# KiCad board constellation.kicad_pcb (continued)
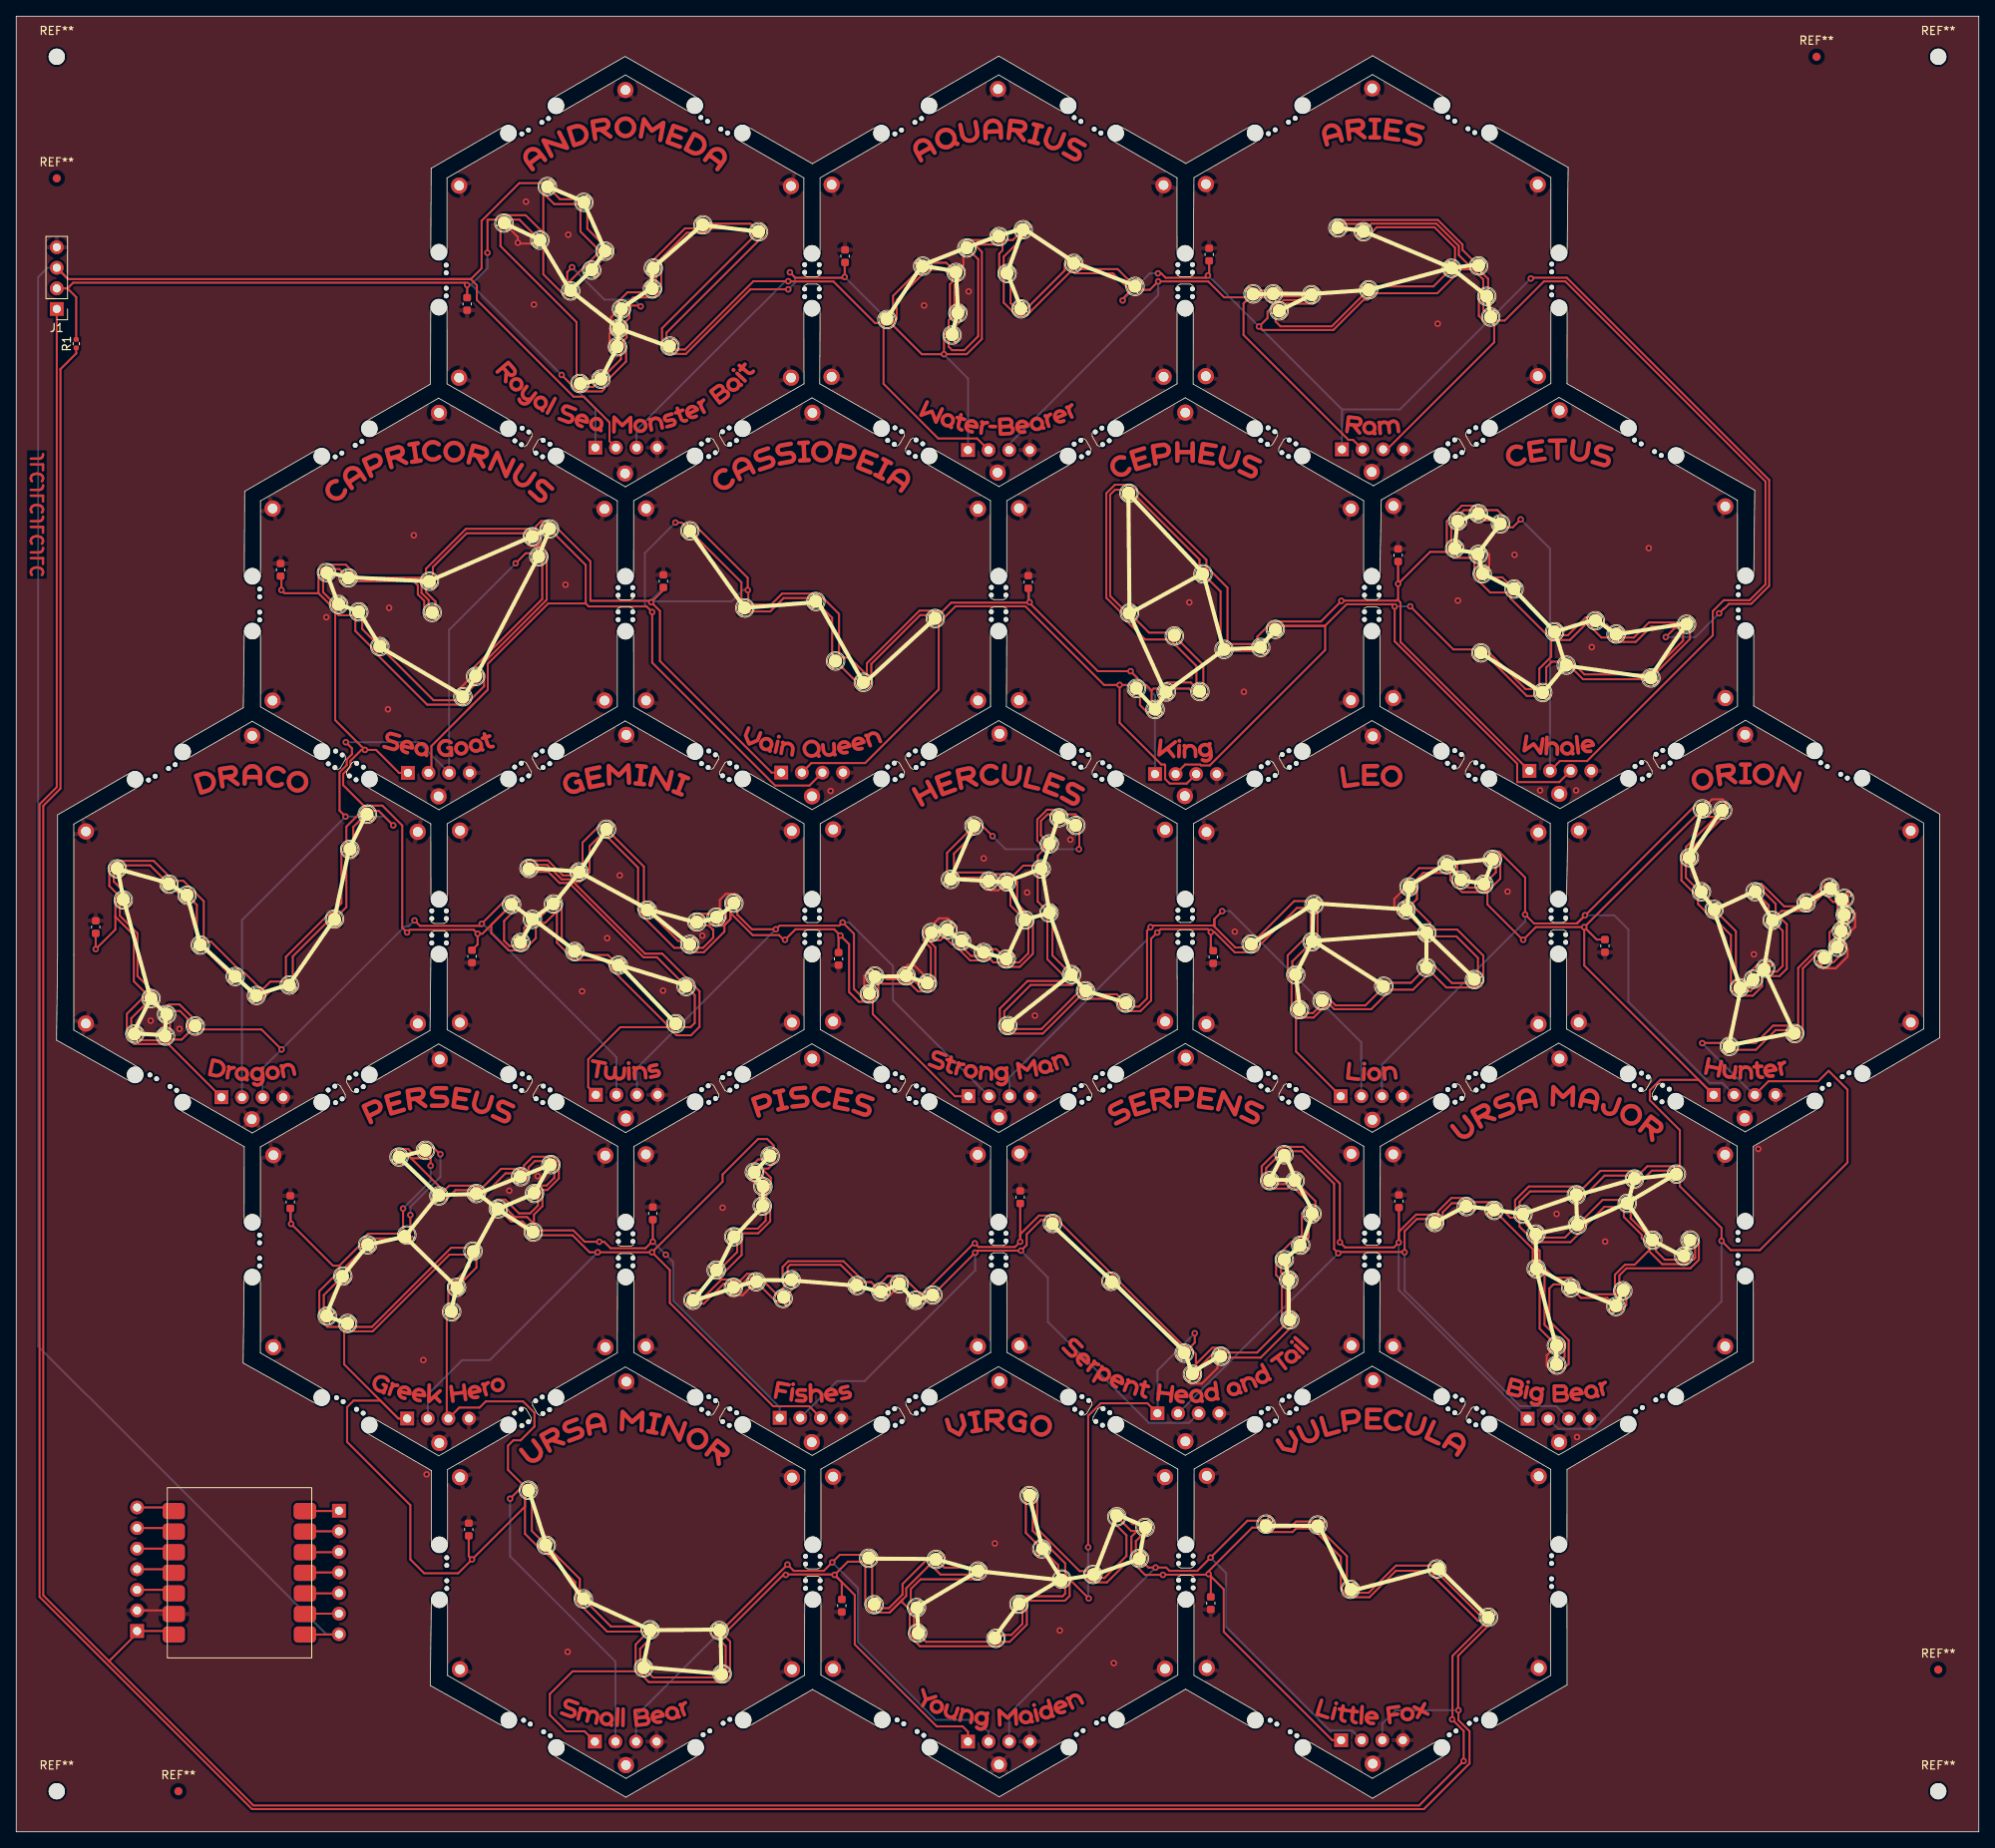
[diagram p0: board, top side]
## Nets (continued)
Net-(U118-DOUT): U118.1 U119.4
Net-(U119-DOUT): U119.1 U120.4
Net-(U120-DOUT): U120.1 U121.4
Net-(U121-DOUT): U121.1 U122.4
Net-(U122-DOUT): U122.1 U123.4
Net-(U123-DOUT): U123.1 U124.4
Net-(U124-DOUT): U124.1 U125.4
Net-(U125-DOUT): U125.1 U126.4
Net-(U126-DOUT): U126.1 U127.4
Net-(U127-DOUT): U127.1 U128.4
Net-(U128-DOUT): U128.1 U129.4
Net-(U129-DOUT): U129.1 U130.4
Net-(U130-DOUT): U130.1 U131.4
Net-(U131-DOUT): U131.1 U132.4
Net-(U132-DOUT): U132.1 U133.4
Net-(U133-DOUT): U133.1 U134.4
Net-(U134-DOUT): U134.1 U135.4
Net-(U135-DOUT): U135.1 U136.4
Net-(U136-DOUT): U136.1 U137.4
Net-(U137-DOUT): U137.1 U138.4
Net-(U138-DOUT): U138.1 U139.4
Net-(U140-DOUT): U140.1 U141.4
Net-(U141-DOUT): U141.1 U142.4
Net-(U142-DOUT): U142.1 U143.4
Net-(U143-DOUT): U143.1 U144.4
Net-(U144-DOUT): U144.1 U145.4
Net-(U145-DOUT): U145.1 U146.4
Net-(U146-DOUT): U146.1 U147.4
Net-(U147-DOUT): U147.1 U148.4
Net-(U148-DOUT): U148.1 U149.4
Net-(U149-DOUT): U149.1 U150.4
Net-(U150-DOUT): U150.1 U151.4
Net-(U151-DOUT): U151.1 U152.4
Net-(U152-DOUT): U152.1 U153.4
Net-(U153-DOUT): U153.1 U154.4
Net-(U154-DOUT): U154.1 U155.4
Net-(U156-DOUT): U156.1 U157.4
Net-(U157-DOUT): U157.1 U158.4
Net-(U158-DOUT): U158.1 U159.4
Net-(U159-DOUT): U159.1 U160.4
Net-(U160-DOUT): U160.1 U161.4
Net-(U161-DOUT): U161.1 U162.4
Net-(U162-DOUT): U162.1 U163.4
Net-(U163-DOUT): U163.1 U164.4
Net-(U164-DOUT): U164.1 U165.4
Net-(U165-DOUT): U165.1 U166.4
Net-(U166-DOUT): U166.1 U167.4
Net-(U167-DOUT): U167.1 U168.4
Net-(U168-DOUT): U168.1 U169.4
Net-(U169-DOUT): U169.1 U170.4
Net-(U170-DOUT): U170.1 U171.4
Net-(U171-DOUT): U171.1 U172.4
Net-(U172-DOUT): U172.1 U173.4
Net-(U173-DOUT): U173.1 U174.4
Net-(U175-DOUT): U175.1 U176.4
Net-(U176-DOUT): U176.1 U177.4
Net-(U177-DOUT): U177.1 U178.4
Net-(U178-DOUT): U178.1 U179.4
Net-(U179-DOUT): U179.1 U180.4
Net-(U180-DOUT): U180.1 U181.4
Net-(U181-DOUT): U181.1 U182.4
Net-(U182-DOUT): U182.1 U183.4
Net-(U183-DOUT): U183.1 U184.4
Net-(U184-DOUT): U184.1 U185.4
Net-(U185-DOUT): U185.1 U186.4
Net-(U186-DOUT): U186.1 U187.4
Net-(U187-DOUT): U187.1 U188.4
Net-(U188-DOUT): U188.1 U189.4
Net-(U189-DOUT): U189.1 U190.4
Net-(U190-DOUT): U190.1 U191.4
Net-(U191-DOUT): U191.1 U192.4
Net-(U192-DOUT): U192.1 U193.4
Net-(U194-DOUT): U194.1 U195.4
Net-(U195-DOUT): U195.1 U196.4
Net-(U196-DOUT): U196.1 U197.4
Net-(U197-DOUT): U197.1 U198.4
Net-(U198-DOUT): U198.1 U199.4
Net-(U199-DOUT): U199.1 U200.4
Net-(U200-DOUT): U200.1 U201.4
Net-(U201-DOUT): U201.1 U202.4
Net-(U202-DOUT): U202.1 U203.4
Net-(U203-DOUT): U203.1 U204.4
Net-(U204-DOUT): U204.1 U205.4
Net-(U205-DOUT): U205.1 U206.4
Net-(U207-DOUT): U207.1 U208.4
Net-(U208-DOUT): U208.1 U209.4
Net-(U209-DOUT): U209.1 U210.4
Net-(U210-DOUT): U210.1 U211.4
Net-(U211-DOUT): U211.1 U212.4
Net-(U212-DOUT): U212.1 U213.4
Net-(U213-DOUT): U213.1 U214.4
Net-(U214-DOUT): U214.1 U215.4
Net-(U215-DOUT): U215.1 U216.4
Net-(U216-DOUT): U216.1 U217.4
Net-(U217-DOUT): U217.1 U218.4
Net-(U218-DOUT): U218.1 U219.4
Net-(U219-DOUT): U219.1 U220.4
Net-(U220-DOUT): U220.1 U221.4
Net-(U221-DOUT): U221.1 U222.4
Net-(U223-DOUT): U223.1 U224.4
Net-(U224-DOUT): U224.1 U225.4
Net-(U225-DOUT): U225.1 U226.4
Net-(U226-DOUT): U226.1 U227.4
Net-(U227-DOUT): U227.1 U228.4
Net-(U228-DOUT): U228.1 U229.4
Net-(U229-DOUT): U229.1 U230.4
Net-(U230-DOUT): U230.1 U231.4
Net-(U231-DOUT): U231.1 U232.4
Net-(U232-DOUT): U232.1 U233.4
Net-(U233-DOUT): U233.1 U234.4
Net-(U234-DOUT): U234.1 U235.4
Net-(U235-DOUT): U235.1 U236.4
Net-(U236-DOUT): U236.1 U237.4
Net-(U237-DOUT): U237.1 U238.4
Net-(U238-DOUT): U238.1 U239.4
Net-(U240-DOUT): U240.1 U241.4
Net-(U241-DOUT): U241.1 U242.4
Net-(U242-DOUT): U242.1 U243.4
Net-(U243-DOUT): U243.1 U244.4
Net-(U244-DOUT): U244.1 U245.4
Net-(U245-DOUT): U245.1 U246.4
Net-(U247-DOUT): U247.1 U248.4
Net-(U248-DOUT): U248.1 U249.4
Net-(U249-DOUT): U249.1 U250.4
Net-(U250-DOUT): U250.1 U251.4
Net-(U251-DOUT): U251.1 U252.4
Net-(U252-DOUT): U252.1 U253.4
Net-(U253-DOUT): U253.1 U254.4
Net-(U254-DOUT): U254.1 U255.4
Net-(U255-DOUT): U255.1 U256.4
Net-(U256-DOUT): U256.1 U257.4
Net-(U257-DOUT): U257.1 U258.4
Net-(U258-DOUT): U258.1 U259.4
Net-(U259-DOUT): U259.1 U260.4
Net-(U260-DOUT): U260.1 U261.4
Net-(U262-DOUT): U262.1 U263.4
Net-(U263-DOUT): U263.1 U264.4
Net-(U264-DOUT): U264.1 U265.4
Net-(U265-DOUT): U265.1 U266.4

## Via types
v1: diameter 0.8, hole 0.4, Top to Bottom, 140 vias

## Routing (per net, layer and track width the routed paths; a pad name or vN(x,y) marks a point on that pad's centre or on a via; arc(x,y) is an arc through that point)
+5V: length 3196.9
  Top w0.25: v1(147.03,31.8) 146.95,31.72 141.42,31.72 v1(141.4,31.7) 139.19,31.7 138.06,32.82 U261.2 ; v1(147.03,31.8) 148.9,29.93 148.9,24.67 162.27,11.3 J23.1 ; v1(147.03,31.8) 147.3,31.53 C37.2 ; v1(147.03,31.8) 147.03,32.15 152.41,37.53 U262.2 153.68,37.06 153.75,36.98 157.38,36.98 157.83,37.43 U263.2 160.06,37.18 163.34,33.9 163.34,29.98 163.83,29.49 U264.2 164.08,29.17 164.31,28.94 166.86,28.94 170.12,32.2 174.56,32.2 U265.2 174.76,31.53 180.25,26.04 U266.2 181.11,25.71 177.1,21.7 177.1,13.9 v1(177.06,13.86) 178.48,12.45 v1(178.48,8.73) 173,3.25 29.25,3.25 11.45,21.05 ; U236.2 40.44,57.66 47.11,50.99 ; U236.2 38.35,62.29 37.92,62.72 37.92,63.19 37.67,63.19 37.38,63.5 37.38,66.71 39.66,68.99 39.84,68.99 39.84,69.84 ; U236.2 40.44,62.04 40.74,61.74 43.95,61.74 53.42,71.21 U237.2 55.9,69.74 53.87,67.71 U238.2 53.4,67.59 53.27,67.47 U239.2 ; 93.39,82.96 93.39,82.48 92.73,81.82 U221.2 91.92,81.82 93.05,80.69 93.05,79.48 92.75,79.18 U220.2 92.5,77.71 U219.2 92.75,77.63 92.97,77.41 92.97,75.32 91.49,73.84 U218.2 89.09,73.84 89.45,73.48 89.45,71.17 87.16,68.88 U217.2 86.74,68.37 86.97,68.14 ; v1(56.9,110.8) 56.9,109.47 C17.2 ; v1(56.9,110.8) 57.48,110.8 U101.2 58.58,111.9 58.58,110.87 60.71,108.74 62.47,108.74 62.64,108.91 U102.2 63.12,109.29 64.08,110.25 U103.2 65.24,112.14 66.67,113.58 U104.2 66.67,109.7 68.19,108.17 68.44,108.17 68.44,107.7 68.61,107.54 72.52,107.54 73.57,106.49 U106.2 73.82,106.02 80.56,99.27 U107.2 ; v1(56.9,110.8) 56.41,111.29 48.52,111.29 v1(48.19,110.96) 47.6,111.55 47.6,124.16 45.15,126.61 43.25,126.61 42.87,126.22 U85.2 ; 59.71,198.78 U7.2 ; U7.2 59.71,199.15 60.01,199.45 62.81,199.45 65,197.27 65,196.8 65,202.49 U1.2 65.07,202.09 66.33,200.82 69.36,200.82 U2.2 69.57,197.43 U3.2 70.53,193.56 U4.2 70.06,193.09 67.94,190.97 U5.2 67.94,192.43 v1(68.54,193.03) ; U7.2 58.16,198.9 58.11,198.85 v1(58.11,194.81) ; 48.1,83.68 48.69,83.1 50.53,83.1 50.89,83.46 U231.2 51.1,83.44 v1(51.1,82.18) ; 48.1,83.68 U230.2 ; 48.1,83.68 52.55,79.24 U229.2 ; 189.28,147.62 189.28,144.97 187.81,143.51 U54.2 186.12,140.98 181.22,145.88 U55.2 ; 189.28,147.62 189.28,147.15 189.38,147.04 191.58,147.04 193.53,148.99 U49.2 194.29,148.51 195.46,147.34 U50.2 196.85,146.87 196.93,146.8 198.25,146.8 198.25,146.8 199.7,146.8 201.6,148.7 205.39,148.7 U51.2 ; 189.28,147.62 188.8,147.62 184.28,152.15 184.28,152.89 181.75,152.89 180.34,154.3 U46.2 180.09,154.78 179.79,155.07 179.79,157.09 U45.2 177.22,157.17 176.95,157.44 U44.2 ; U255.2 129.35,33.12 127.14,35.33 U256.2 126.89,35.58 125.35,37.12 125.35,41.05 U257.2 ; U255.2 129.47,31.6 ; U255.2 129.44,31.6 v1(132.25,28.79) ; C11.2 124.8,151.86 v1(124.96,151.69) ; U79.2 39.33,150.51 39.76,150.08 41.81,150.08 41.81,148.14 44.16,145.8 U81.2 44.41,145.32 50.67,139.06 55.17,139.06 55.5,139.39 U82.2 55.98,139.61 57.69,141.32 57.69,142.81 57.54,142.97 U83.2 57.06,143.65 65.42,152 65.42,157.67 65.34,157.75 U84.2 ; U79.2 39.09,150.99 37.27,152.81 ; U79.2 39.33,137.15 v1(43,133.48) ; C7.2 32.7,154.82 v1(32.7,153.2) 33.09,152.81 37.27,152.81 ; 179.9,192.76 179.65,192.76 177.89,194.52 177.89,195.64 175.12,198.41 167.11,198.41 U36.2 166.53,198.31 166.46,198.38 163.47,198.38 U37.2 ; 179.9,192.76 179.9,192.51 180.9,191.51 180.9,189.87 U39.2 180.63,189.87 180.35,189.59 180.35,187.02 180.92,186.45 181.4,186.45 ; 179.9,192.76 177.71,192.76 177.41,192.47 177.41,192 175.23,189.81 U34.2 167.19,189.56 166.64,189.02 166.14,189.02 162.41,185.29 153.66,185.29 v1(153.24,185.71) 154.3,186.77 154.3,187.56 154.82,188.07 155.29,188.07 ; v1(114.4,182.3) 117.2,182.3 119.07,184.17 119.07,194.93 118.17,195.84 U23.2 ; v1(114.4,182.3) 111.66,182.3 107.81,186.15 U18.2 108.05,186.15 108.57,186.68 108.57,188.99 112.2,192.62 U19.2 112.21,192.74 114.43,192.74 115.22,191.95 U20.2 115.47,191.26 115.14,190.93 115.14,187.02 115.21,186.94 U21.2 115.43,186.94 114.97,186.49 U22.2 114.72,185.09 114.4,184.76 v1(114.4,182.3) ; J9.1 47.2,130.65 44.37,133.48 v1(43,133.48) ; U154.2 181.88,116.48 183,117.59 183,120.16 182.76,120.4 U155.2 ; U154.2 181.41,114.41 185.77,110.05 v1(185.82,110.05) 187.39,111.62 v1(193.35,111.62) ; U154.2 181.41,116.21 181.13,115.93 178.29,115.93 177.69,116.53 177.69,117 177.22,117 176.84,117.39 U152.2 176.84,118.64 176.49,118.3 173.47,118.3 172.16,117 172.34,117 172.72,116.61 172.72,115.08 U150.2 172.28,114.18 174.37,112.09 U149.2 177.68,111.32 180.91,108.09 180.91,104.91 180.72,104.72 U148.2 180.25,104.28 180.13,104.17 176.34,104.17 U147.2 174.3,105.96 172.24,103.89 U146.2 169.06,103.47 167.08,101.49 162.51,101.49 161.91,102.09 161.44,102.09 161.44,101.92 159.99,100.46 157.88,100.46 157.81,100.53 U144.2 ; v1(186.76,191.64) 186.85,191.74 191.2,191.74 216.15,166.79 216.15,153.71 213.94,151.5 211.2,151.5 210.63,150.93 210.58,150.93 v1(209.97,150.32) ; v1(77,188.2) 76.9,188.3 U12.2 ; v1(193.35,111.62) U156.2 207.5,125.52 207.8,125.22 209.6,125.22 210,125.61 205.88,121.5 U158.2 205.47,120.61 205.34,120.47 205.34,117.36 207.15,115.55 U159.2 207.37,114.47 208.47,113.37 U160.2 208.94,113.12 211.44,110.62 211.44,103.84 211.58,103.7 212.06,103.7 212.06,103.23 212.13,103.16 214.13,103.16 215.28,104.31 U163.2 ; v1(193.35,111.62) 194.89,110.08 C23.2 ; v1(193.35,111.62) 193.35,106.88 J14.1 207.46,92.77 202.73,92.77 201.44,91.48 201.44,90.26 205.14,86.56 U175.2 205.14,81.82 204.84,82.12 201.13,82.12 U176.2 199.97,81.44 199.85,81.55 195.35,81.55 U177.2 192.81,79.49 192.68,79.62 186.52,79.62 184.82,77.92 184.82,75.99 185.04,75.77 U178.2 ; U107.2 74.49,99.27 70.53,95.31 70.53,91.87 J11.1 ; U107.2 80.9,98.8 81.42,98.27 83.21,98.27 84.26,99.32 84.26,103.7 83.25,104.72 U108.2 83.03,104.97 79.66,108.34 77.54,108.34 68.37,117.51 67.26,117.51 65.48,119.29 U109.2 ; 152.94,189.31 U31.2 154.57,188.8 155.29,188.07 ; v1(100.91,31.7) 102.53,33.32 U247.2 104.69,28 105.09,27.59 U248.2 105.34,27.34 105.64,27.04 107.69,27.04 ; v1(100.91,31.7) 101.25,31.35 ; v1(100.91,31.7) 100.86,31.75 94.95,31.75 v1(94.9,31.7) 94.59,31.7 87.29,24.4 U246.2 88.03,23.48 88.03,19.12 87.95,19.05 U245.2 87.48,18.57 87.38,18.47 78,18.47 76.93,19.54 U244.2 ; U244.2 68.6,19.8 65.8,17 65.8,14.4 67.8,12.4 70.08,12.4 J19.1 ; U244.2 76.45,19.8 76.38,19.88 76.38,23.12 U243.2 77.54,24.7 72.86,24.7 69.5,28.06 U242.2 69.25,28.31 68.95,28.61 68.95,30.8 64.93,34.82 U241.2 64.58,34.92 62.73,36.77 U240.2 62.73,40.13 v1(56.2,33.6) ; U44.2 174.34,157.91 v1(170.4,153.97) ; U44.2 176.7,157.91 176.4,158.21 176.4,161.69 176.85,162.15 U43.2 177.32,162.69 178.25,163.62 180.43,163.62 180.72,163.31 180.72,163.06 182.65,163.06 183.44,162.27 183.44,161.8 ; v1(170.4,153.97) 170.4,151.95 170.69,151.66 170.69,146.8 J6.1 ; v1(170.4,153.97) C13.2 ; v1(78.3,151.7) 79.38,150.62 79.38,144.44 93.14,130.68 J8.1 ; v1(78.3,151.7) 79.8,153.2 C9.2 ; v1(78.3,151.7) 78.12,151.88 70.8,151.88 70.8,156.74 66.36,161.18 U73.2 66.19,161.24 65.69,161.72 64.75,161.72 64.07,161.04 U74.2 64.07,160.69 63.99,160.76 55.46,160.76 50.52,155.83 50.52,154.72 ; 64.17,74.66 62.99,75.85 61.46,75.85 60.02,77.28 59.87,77.28 ; 64.17,74.66 63.84,75 63.84,76.14 64.89,77.19 64.89,78.88 64.17,78.88 64.47,79.19 U225.2 65.48,79.19 66.91,80.6 66.91,82.67 66.83,82.75 U226.2 66.36,83.22 66.28,83.29 63.7,83.29 62.62,82.22 62.62,81.25 62.62,81.5 62.31,81.79 59.8,81.79 U228.2 57.17,79.42 56.87,79.72 53.39,79.72 U229.2 ; 64.17,74.66 U223.2 64.39,74.2 68.7,74.2 70.1,72.8 v1(71.9,72.8) 72.5,72.8 73.3,72 77.6,72 78.4,72.8 v1(78.5,72.8) C29.2 ; U117.2 105.62,100.88 115.75,90.75 J12.1 ; U117.2 105.62,102.89 105.13,102.4 103.9,102.4 102.7,103.6 102.7,109.5 v1(101.62,110.58) ; U117.2 106.09,102.95 106.3,103.15 U118.2 106.81,104.62 110.05,104.62 110.17,104.75 U119.2 110.17,104.7 111.19,103.68 112.67,103.68 112.78,103.78 U120.2 113.25,104.26 113.33,104.33 113.33,109.13 112.4,110.06 U121.2 112.4,110.05 112.47,109.97 113.92,109.97 114.47,110.52 U122.2 114.47,110.41 115.41,109.47 U123.2 116.14,108.99 117.62,107.5 119.49,107.5 119.69,107.7 U124.2 120.5,107.25 U125.2 121.66,106.78 121.73,106.7 123.75,106.7 125.36,108.32 125.36,112.59 125.03,112.92 U126.2 ; 140.01,140.81 139.33,141.49 U66.2 138.57,141.97 138.22,142.32 138.22,142.38 v1(137.41,143.19) 133.37,143.19 124.91,151.65 115.29,151.65 U67.2 113.75,150.59 113.68,150.67 111.39,150.67 104.89,144.17 U68.2 104.89,142.72 102.73,144.87 U69.2 101.46,150.25 99.5,152.22 U70.2 99.03,152.47 98.72,152.76 94.44,152.76 93.11,151.43 90.29,151.43 U71.2 90.27,153.13 v1(90.2,153.2) 90.2,154.7 83.97,160.94 83.5,160.94 ; 140.01,140.81 U65.2 ; 140.01,140.81 140.25,141.05 U64.2 141.38,141.3 141.89,141.8 144.83,141.8 U63.2 145.53,143.83 142.38,146.98 U62.2 139.21,147.1 136.84,149.46 U61.2 136.72,149.94 134.42,152.24 134.42,165.14 135.48,166.2 137.49,166.2 137.63,166.05 137.63,165.57 138.11,165.57 146.76,156.93 U59.2 147.24,155.62 149.36,153.5 U58.2 149.6,146.55 U57.2 153.03,147.46 154.35,148.78 154.82,148.78 154.82,149.03 155.12,149.32 160.88,149.32 163.4,151.84 v1(163.4,151.87) 163.42,151.89 170.17,151.89 170.4,152.12 ; v1(132.18,35.1) 132.18,51.32 133.72,52.86 139.49,52.86 J16.1 ; v1(67.25,179.74) 68.73,178.26 U8.2 69.09,177.91 69.29,177.71 72.21,177.71 72.53,178.03 U9.2 72.59,178.8 75.2,181.4 75.2,183.26 74.81,183.65 U10.2 75.28,184.37 75.28,185.84 75.21,185.91 U11.2 75.61,186.79 75.61,188.22 75.53,188.3 U12.2 ; U164.2 217.68,113.61 221.06,113.61 221.15,113.7 U166.2 221.28,114.18 U167.2 223.16,115.58 224.01,114.73 U168.2 224.56,114.3 224.56,113.08 224.94,112.7 225.12,112.7 224.65,112.23 224.65,111.56 224.17,111.56 223.6,110.98 223.6,108.8 223.71,108.69 U171.2 223.8,108.69 U172.2 223.21,108.57 223.13,108.64 221.79,108.64 219.73,106.58 U173.2 219.72,98.92 219.72,99.46 216.64,99.46 214.49,97.31 211.68,97.31 211.66,97.33 ; U164.2 216.95,114.48 215.01,116.42 214.84,116.42 ; U164.2 217.43,112.88 218.33,111.97 218.33,106.48 217.43,105.58 215.36,105.58 215.28,105.65 U163.2 ; 155.29,188.07 155.29,188.32 155.67,188.7 156,188.7 156.28,188.98 159.06,188.98 U32.2 ; v1(145.32,61.51) 145.32,60.35 U204.2 ; 12.22,112.89 12.22,115.09 12.53,115.39 12.78,115.39 11.48,116.69 11.48,119.17 11.55,119.24 U94.2 12.03,119.46 12.36,119.79 16.95,119.79 19.27,117.47 U93.2 20.61,117.33 21.5,116.45 U92.2 21.97,115.97 23.12,114.82 U91.2 24.03,109.83 27.43,106.42 U90.2 28.19,105.94 30.05,104.08 U89.2 31.34,104.89 U88.2 33.26,107.95 38.35,113.05 U87.2 38.83,113.3 40.1,114.57 40.1,121.5 40.23,121.63 U86.2 40.71,124.01 42.67,125.97 U85.2 ; 12.22,112.89 12.22,111.33 v1(9.8,108.9) C15.2 ; 12.22,112.89 14.5,110.62 14.5,104.93 U96.2 15.95,103.23 13.64,100.92 13.64,98.31 13.94,98.01 U97.2 14.19,97.53 14.53,97.19 18.52,97.19 18.82,97.5 U98.2 ; v1(136.43,188.93) 136.43,189.14 U29.2 137.28,190.24 135.24,192.28 130.53,192.28 129.99,192.82 129.99,193.07 129.99,192.47 124.61,187.1 124.1,187.1 U27.2 123.74,187.14 123.28,187.14 121.76,188.66 U26.2 121.28,191.83 121.21,191.91 121.21,194.7 121.61,195.1 U24.2 ; 163.22,72.74 v1(163.22,72.74) 163.86,72.1 169.88,72.1 v1(170.47,72.7) ; 163.22,72.74 163.22,72.73 ; 163.22,72.74 163.22,79.97 158.68,84.51 157.31,84.51 157.31,84.51 156.26,84.51 155.91,84.16 U194.2 155.43,83.97 153.57,82.11 153.57,80.21 153.88,79.91 U195.2 154.12,79.43 154.2,79.35 156.75,79.35 157.28,79.88 157.28,79.74 159.36,77.65 U197.2 158.88,76.67 158.53,76.31 158.53,73.62 157.97,73.06 U198.2 157.26,72.81 155.94,71.49 U199.2 155.47,71.01 155.35,70.9 155.35,68.68 156.38,67.66 U200.2 156.06,67.24 156.06,63.03 156.37,62.74 156.62,62.74 153.01,59.13 149.02,59.13 U202.2 148.99,59.57 148.84,59.72 147.49,59.72 145.47,57.69 U203.2 145.47,58.95 144.93,59.49 U204.2 ; U261.2 137.02,33.3 134.49,30.77 132.41,30.77 132.34,30.84 U258.2 132.33,31.33 129.74,31.33 129.47,31.6 ; U261.2 137.7,33.3 137.51,33.49 137.51,36.41 138.22,37.12 U260.2 137.48,37.12 136.16,38.44 U259.2 ; U185.2 197.32,66.32 197.13,66.51 197.13,68.73 198.37,69.97 199.56,69.97 201.37,71.78 U182.2 ; U185.2 193.6,66.32 192.38,67.54 U187.2 192.13,68.01 191.78,68.36 189.63,68.36 188.1,69.89 ; U185.2 U186.2 ; U114.2 85.64,112.67 U115.2 85.91,111.94 86.06,111.79 87.26,111.79 88.06,112.59 U116.2 ; U12.2 76.06,189.3 78.72,189.3 78.88,189.46 U13.2 79.35,189.94 79.54,190.12 79.54,193.28 79.47,193.35 U14.2 78.99,193.59 82.68,197.28 84.81,197.28 85.11,197.58 U15.2 85.14,197.8 90.03,197.8 90.86,196.97 91.11,196.97 79.63,185.5 79.63,182.95 79.7,182.88 U17.2 80.18,182.41 80.25,182.33 82.57,182.33 90.54,190.3 v1(95.2,190.3) ; U144.2 157.71,101.01 157.26,101.46 157.26,105.21 U143.2 157.11,105.3 156.78,105.63 156.78,108.14 158.89,110.25 U142.2 159.61,110.49 U141.2 157.92,113.98 153.04,109.1 U140.2 152.7,108.7 152.5,108.5 150.26,108.5 147.76,111 v1(147.3,111) ; U144.2 157.81,96.26 J13.1 ; 129.47,31.6 129.9,31.17 129.9,29.1 129.31,28.51 U254.2 124.35,28.51 124.62,28.24 124.62,25.56 122.5,23.44 U253.2 121.23,22.97 121.16,22.89 111.42,22.89 110.72,23.59 U252.2 110.48,24.07 110.17,24.38 110.17,26.83 U251.2 110.33,27.24 109.23,28.34 109.23,28.58 107.69,27.04 ; U204.2 144.46,59.74 144.16,60.03 143.87,60.03 135.56,68.34 U205.2 135.41,68.49 128.41,75.49 U206.2 128.21,75.96 128.13,76.03 126.11,76.03 123.8,73.72 123.8,73.4 ; 50.52,154.72 50.12,154.72 49.98,154.57 49.98,152.84 50.86,151.96 U76.2 ; 50.52,154.72 50.51,154.73 42.07,154.73 41.67,155.13 U77.2 41.37,155.61 40.63,156.34 38.33,156.34 37.84,155.85 U78.2 37.37,155.79 37.27,155.69 37.27,152.81 ; 47.11,50.99 J18.1 ; 47.11,50.99 44.9,53.2 41.6,53.2 40.8,52.4 40.8,48.1 48.6,40.3 48.6,33.6 50.3,31.9 54.5,31.9 v1(56.2,33.6) ; U182.2 201.12,72.56 200.44,73.24 200.44,73.65 198.23,75.86 U181.2 195.83,77.11 193.17,74.45 U180.2 192.95,74.05 191.65,72.75 187.06,72.75 186.97,72.84 U179.2 ; U182.2 201.37,71.62 202.96,70.03 205.99,70.03 206.04,70.09 206.04,70.59 206.81,70.59 207.03,70.8 207.03,72.38 206.82,72.59 ; U116.2 88.06,113.37 90.81,110.62 94.06,110.62 94.64,110.05 v1(94.8,110.05) 96.1,111.35 100.86,111.35 v1(101.62,110.58) ; U116.2 88.06,112.61 87.33,111.88 87.33,111.06 84.78,108.51 82.72,108.51 82.64,108.58 U113.2 81.14,109.06 77.4,112.81 U112.2 77.15,113.28 76.68,113.75 76.68,118.95 72.92,122.72 72.67,122.72 72.67,122.97 72.36,123.27 70.7,121.6 70.7,118.39 70.31,118 U110.2 69.83,117.53 69.5,117.2 68.68,117.2 ; U85.2 42.87,126.58 40.32,129.13 40.32,130.53 41.21,131.42 41.21,132.12 42.57,133.48 v1(43,133.48) ; 101.25,31.35 101.8,30.81 C35.2 ; 101.25,31.35 103.4,29.21 103.4,23.1 113.5,13 116.7,13 117.36,12.34 J22.1 ; 107.69,27.04 109.74,29.09 109.74,30.04 112.88,33.18 U249.2 113,32.71 113.97,31.74 U250.2 ; 188.1,69.89 U190.2 187.85,71.7 186.97,72.58 U179.2 ; 188.1,69.89 188.45,69.54 188.45,62.56 190.35,60.66 U189.2 190.82,60.41 190.92,60.32 190.92,58.54 U188.2 ; 86.97,68.14 88.8,68.14 88.87,68.06 U215.2 90.12,68.84 91.29,68.84 91.66,68.47 U214.2 91.8,68.29 93.86,66.23 U213.2 94.14,66.69 U212.2 94.66,67.68 94.5,67.84 94.5,69.69 95.21,70.4 102,70.4 104.11,68.29 U211.2 105.43,67.82 U210.2 106.2,67.3 107.47,68.57 109.24,68.57 109.31,68.5 U209.2 109.8,68.03 111.34,66.49 U208.2 111.98,66.66 U207.2 112.61,67.13 118.08,72.6 v1(118.2,72.6) 118.65,72.15 123.15,72.15 v1(123.8,72.8) 123.8,73.4 ; 86.97,68.14 84.84,66.01 U216.2 ; v1(56.2,33.6) 55.8,34 C33.2 ; U51.2 205.53,146.96 201.9,143.33 201.44,143.33 201.14,143.03 U52.2 201.12,142.8 193.37,142.8 191.81,144.36 U53.2 ; U51.2 204.56,148.56 v1(203.4,147.4) ; U51.2 205.39,148.41 ; U24.2 121.61,195.91 121.54,195.84 U23.2 ; U24.2 122.89,196.38 U25.2 ; 11.45,21.05 3.33,29.17 3.33,126.58 5.45,128.7 5.45,180.45 7.4,182.4 R1.1 ; 11.45,21.05 14.9,24.5 J41.1 19,24.78 U267.14 ; U163.2 214.76,105.61 U162.2 ; U98.2 20.41,97.75 U100.2 21.4,98.99 21.1,99.29 21.1,100.35 20.18,101.27 U99.2 ; U98.2 18.82,97.11 J10.1 ; v1(147.3,111) 146.94,111.36 141.11,111.36 v1(140.7,110.95) 139.94,110.19 139.94,102.56 138.63,101.25 136.47,101.25 136.38,101.33 U139.2 136.13,101.81 135.17,102.77 131.74,102.77 131.43,103.08 U138.2 126.58,98.48 121.92,98.48 121.83,98.57 U137.2 121.36,99.05 121.28,99.12 121.28,101.56 124.7,104.97 129.34,104.97 129.71,105.33 129.46,105.33 127.15,107.64 127.15,112.73 U135.2 126.89,112.92 U126.2 ; v1(147.3,111) 147.3,109.2 147.6,108.9 147.6,108.58 ; v1(147.3,111) 147.3,111.27 ; U229.2 52.55,79.12 ; C3.2 102.16,193.58 v1(102.16,191.82) 102.05,191.72 96.08,191.72 v1(95.4,192.4) ; 6.32,190.42 7.02,191.12 55.33,191.12 v1(55.6,190.84) C1.2 ; 6.32,190.42 7.4,189.34 R1.2 ; 6.32,190.42 J1.2 ; v1(140.79,192.27) 141.2,192.27 141.74,191.73 146.68,191.73 v1(146.95,192) 147.1,192.15 147.1,193.82 ; U23.2 117.64,195.88 ; U127.2 122.58,118.09 122.51,118.17 120.8,118.17 U128.2 120.36,117.98 119.99,118.36 116.07,118.36 U129.2 115.63,120.68 118.53,123.58 U130.2 ; U127.2 123.06,117.61 123.43,117.25 123.43,114.55 124.51,113.47 124.51,113.22 U126.2 ; U127.2 124.18,119.21 U134.2 125.96,120.44 U133.2 126.72,121.45 125.9,122.27 125.9,124.9 127.1,126.1 128.91,126.1 129.01,126 U132.2 130.62,125.53 131.09,125.06 U131.2 ; 170.3,77.03 170.5,76.82 170.5,72.72 v1(170.47,72.7) ; 39.84,69.84 39.05,69.84 v1(33.9,75) 33.8,75.1 C31.2 ; 39.84,69.84 42.84,72.84 U233.2 42.91,73.32 43.38,73.8 47.49,73.8 U232.2 47.74,74.53 47.7,74.56 v1(47.7,76.9) ; U178.2 184.24,75.77 182.91,77.09 182.66,77.09 182.66,77.57 182.54,77.69 179.38,77.69 U192.2 179.25,78.03 179.07,78.2 176.97,78.2 175.34,76.57 175.34,75.6 175.34,75.85 175.04,76.16 172.62,76.16 170.47,74.01 v1(170.47,72.7) ; U178.2 185.37,74.67 186.72,73.32 U179.2 ; C19.2 101.4,110.36 v1(101.62,110.58) ; 123.8,73.4 C27.2
  Bottom w0.25: J5.1 163.47,175.48 ; 163.47,175.48 153.72,185.23 v1(146.95,192) 147.1,192.15 147.1,193.82 ; 163.47,175.48 170.6,175.48 v1(186.76,191.64) ; J4.1 117.36,179.31 114.4,182.27 v1(114.4,182.3) 111.68,182.3 v1(102.16,191.82) 102.2,191.87 C3.2 ; v1(47.7,76.9) 51.1,80.3 v1(51.1,82.18) ; v1(147.03,31.8) 147.3,31.53 C37.2 ; v1(140.79,192.27) 139.77,192.27 v1(136.43,188.93) ; v1(132.25,28.79) 132.18,28.86 v1(132.18,35.1) ; v1(101.62,110.58) 101.4,110.36 C19.2 ; C22.2 147.3,108.97 v1(147.3,111) ; J16.1 140.72,56.91 v1(145.32,61.51) ; v1(203.4,147.4) 207.05,147.4 v1(209.97,150.32) ; v1(9.8,108.9) C15.2 ; v1(55.6,190.84) 56.05,190.84 58.11,192.91 v1(58.11,194.81) ; v1(55.6,190.84) 56.15,190.84 v1(67.25,179.74) 71.41,175.58 J3.1 ; v1(55.6,190.84) C1.2 ; v1(56.9,110.8) 56.9,109.47 C17.2 ; C7.2 32.7,154.82 v1(32.7,153.2) ; v1(124.96,151.69) 124.96,153.26 C11.2 ; v1(68.54,193.03) 72.55,189.02 76.18,189.02 v1(77,188.2) ; C35.2 101.8,30.81 v1(100.91,31.7) ; v1(95.4,192.4) 96.03,191.78 96.03,191.1 95.23,190.3 v1(95.2,190.3) ; J15.1 170.47,66.85 v1(170.47,72.7) 170.5,72.72 170.5,76.82 170.3,77.03 ; C33.2 55.8,34 v1(56.2,33.6) ; v1(170.4,153.97) C13.2 ; J17.1 94.14,52.36 81,65.5 81,70.3 v1(80.1,71.2) v1(78.5,72.8) C29.2 ; C9.2 78.3,152.03 v1(78.3,151.7) 78.4,151.8 88.2,151.8 89.6,153.2 v1(90.2,153.2) ; v1(137.41,143.19) 140.42,140.18 J7.1 ; C31.2 33.9,76.82 v1(33.9,75) ; v1(193.35,111.62) 194.89,110.08 C23.2 ; C27.2 v1(123.8,72.8)
GND: length 84.6
  Top w0.25: U10.3 73.24,182.8 73.17,182.87 73.17,184.82 73.41,185.06 73.89,185.06 73.64,185.06 73.33,185.37 73.33,186.84 73.95,187.45 U12.3 ; U7.3 61.85,196.76 v1(61.85,196.05) 61.95,195.94 U6.3 ; U121.3 113.25,112.18 113.77,112.7 114.88,112.7 115.32,112.26 U122.3 ; U215.3 88.02,66.26 88.09,66.19 89.56,66.19 U214.3 ; U172.3 222.35,107.08 222.9,106.53 224.37,106.53 225.82,107.98 225.82,108.92 225.2,109.54 U171.3 225.5,110 U170.3 225.82,110.7 226.75,111.63 226.75,113.25 226.44,113.56 225.97,113.56 ; 105.44,106 104.97,106 104.57,105.59 104.57,104 U117.3 ; 41.29,63.39 U236.3 ; U119.3 109.31,106.33 109.95,106.96 110.68,106.96 111.93,105.71 U120.3 ; U220.3 91.06,80.03 90.6,80.5 U221.3 ; U74.3 63.22,158.89 63.49,158.62 64.43,158.62 65.33,159.53 65.33,160.32 ; U115.3 86.75,114.97 87.52,115.73 88.58,115.73 88.92,115.39 88.92,115 ; 51.44,153.87 51.38,153.87 ; U45.3 181.19,158.02 181.63,157.58 181.63,156.06 U46.3 ; 144.62,56.03 144.62,55.54 144.87,55.29 146.2,55.29 148.13,57.22 U202.3 ; U162.3 213.59,104.56 212.91,104.56 ; U151.3 171,116.14 169.93,115.08 169.93,114.19 170.79,113.33 U150.3 ; 108.47,67.18 108.47,66.94 107.72,66.2 U210.3 ; U82.3 54.65,141 55.77,142.12 U83.3 ; U188.3 189.07,57.16 188.72,57.51 188.72,58.78 U189.3 ; U156.3 209.11,127.38 210.41,127.38 210.84,126.94 U157.3 ; 43.91,72 43.76,72 ; U127.3 121.13,116.16 120.13,116.16 119.52,116.78 U128.3 ; U20.3 116.8,193.28 U23.3 ; J41.2 19,27.31 U267.13 ; U31.3 155.43,190.23
  vias: v1(16.58,100.07) v1(20.13,99.06) v1(38.24,149.85) v1(45.84,138.49) v1(45.98,151.01) v1(49.03,159.96) v1(50.2,58.2) v1(50.6,44.1) v1(60.8,79.1) v1(62.86,201.12) v1(63.84,188.42) v1(64.3,80.9) v1(67.73,153.86) v1(68,22.2) v1(68.07,197.04) v1(69.78,103.7) v1(72.87,110.26) v1(74.42,118) v1(79.76,103.78) v1(84.6,110.56) v1(87.1,77) v1(100.42,128.41) v1(111.95,188.31) v1(117.44,190.04) v1(119.3,120.1) v1(120.67,35.58) v1(124.65,115.89) v1(125.61,100.7) v1(128.68,24.84) v1(129.98,122.41) v1(135.34,20.81) v1(144.66,151.68) v1(150.26,111.05) v1(151.38,140.65) v1(175.28,186.06) v1(177.77,151.9) v1(183.9,116) v1(184.75,157.55) v1(187.91,128.48) v1(189.94,76.23) v1(192.35,128.48) v1(192.46,48.7) v1(194.27,146.16) v1(195.93,72.82) v1(201.31,158.37) v1(214.27,108.26) v1(214.81,84.25)